# Altium PCB PCB2.PcbDoc (part 3 of 4)
Units mil, origin at the board's own origin, x right, y up, seen from the top; angles counter-clockwise.
Board outline 8413.39 x 5625.98 mil, 6 copper layers (Top Layer, GND1, Misc, Power, GND2, Bottom Layer), stack 60.93 mil thick; 263 components, 224 nets, 1651 pads, 1073 vias.
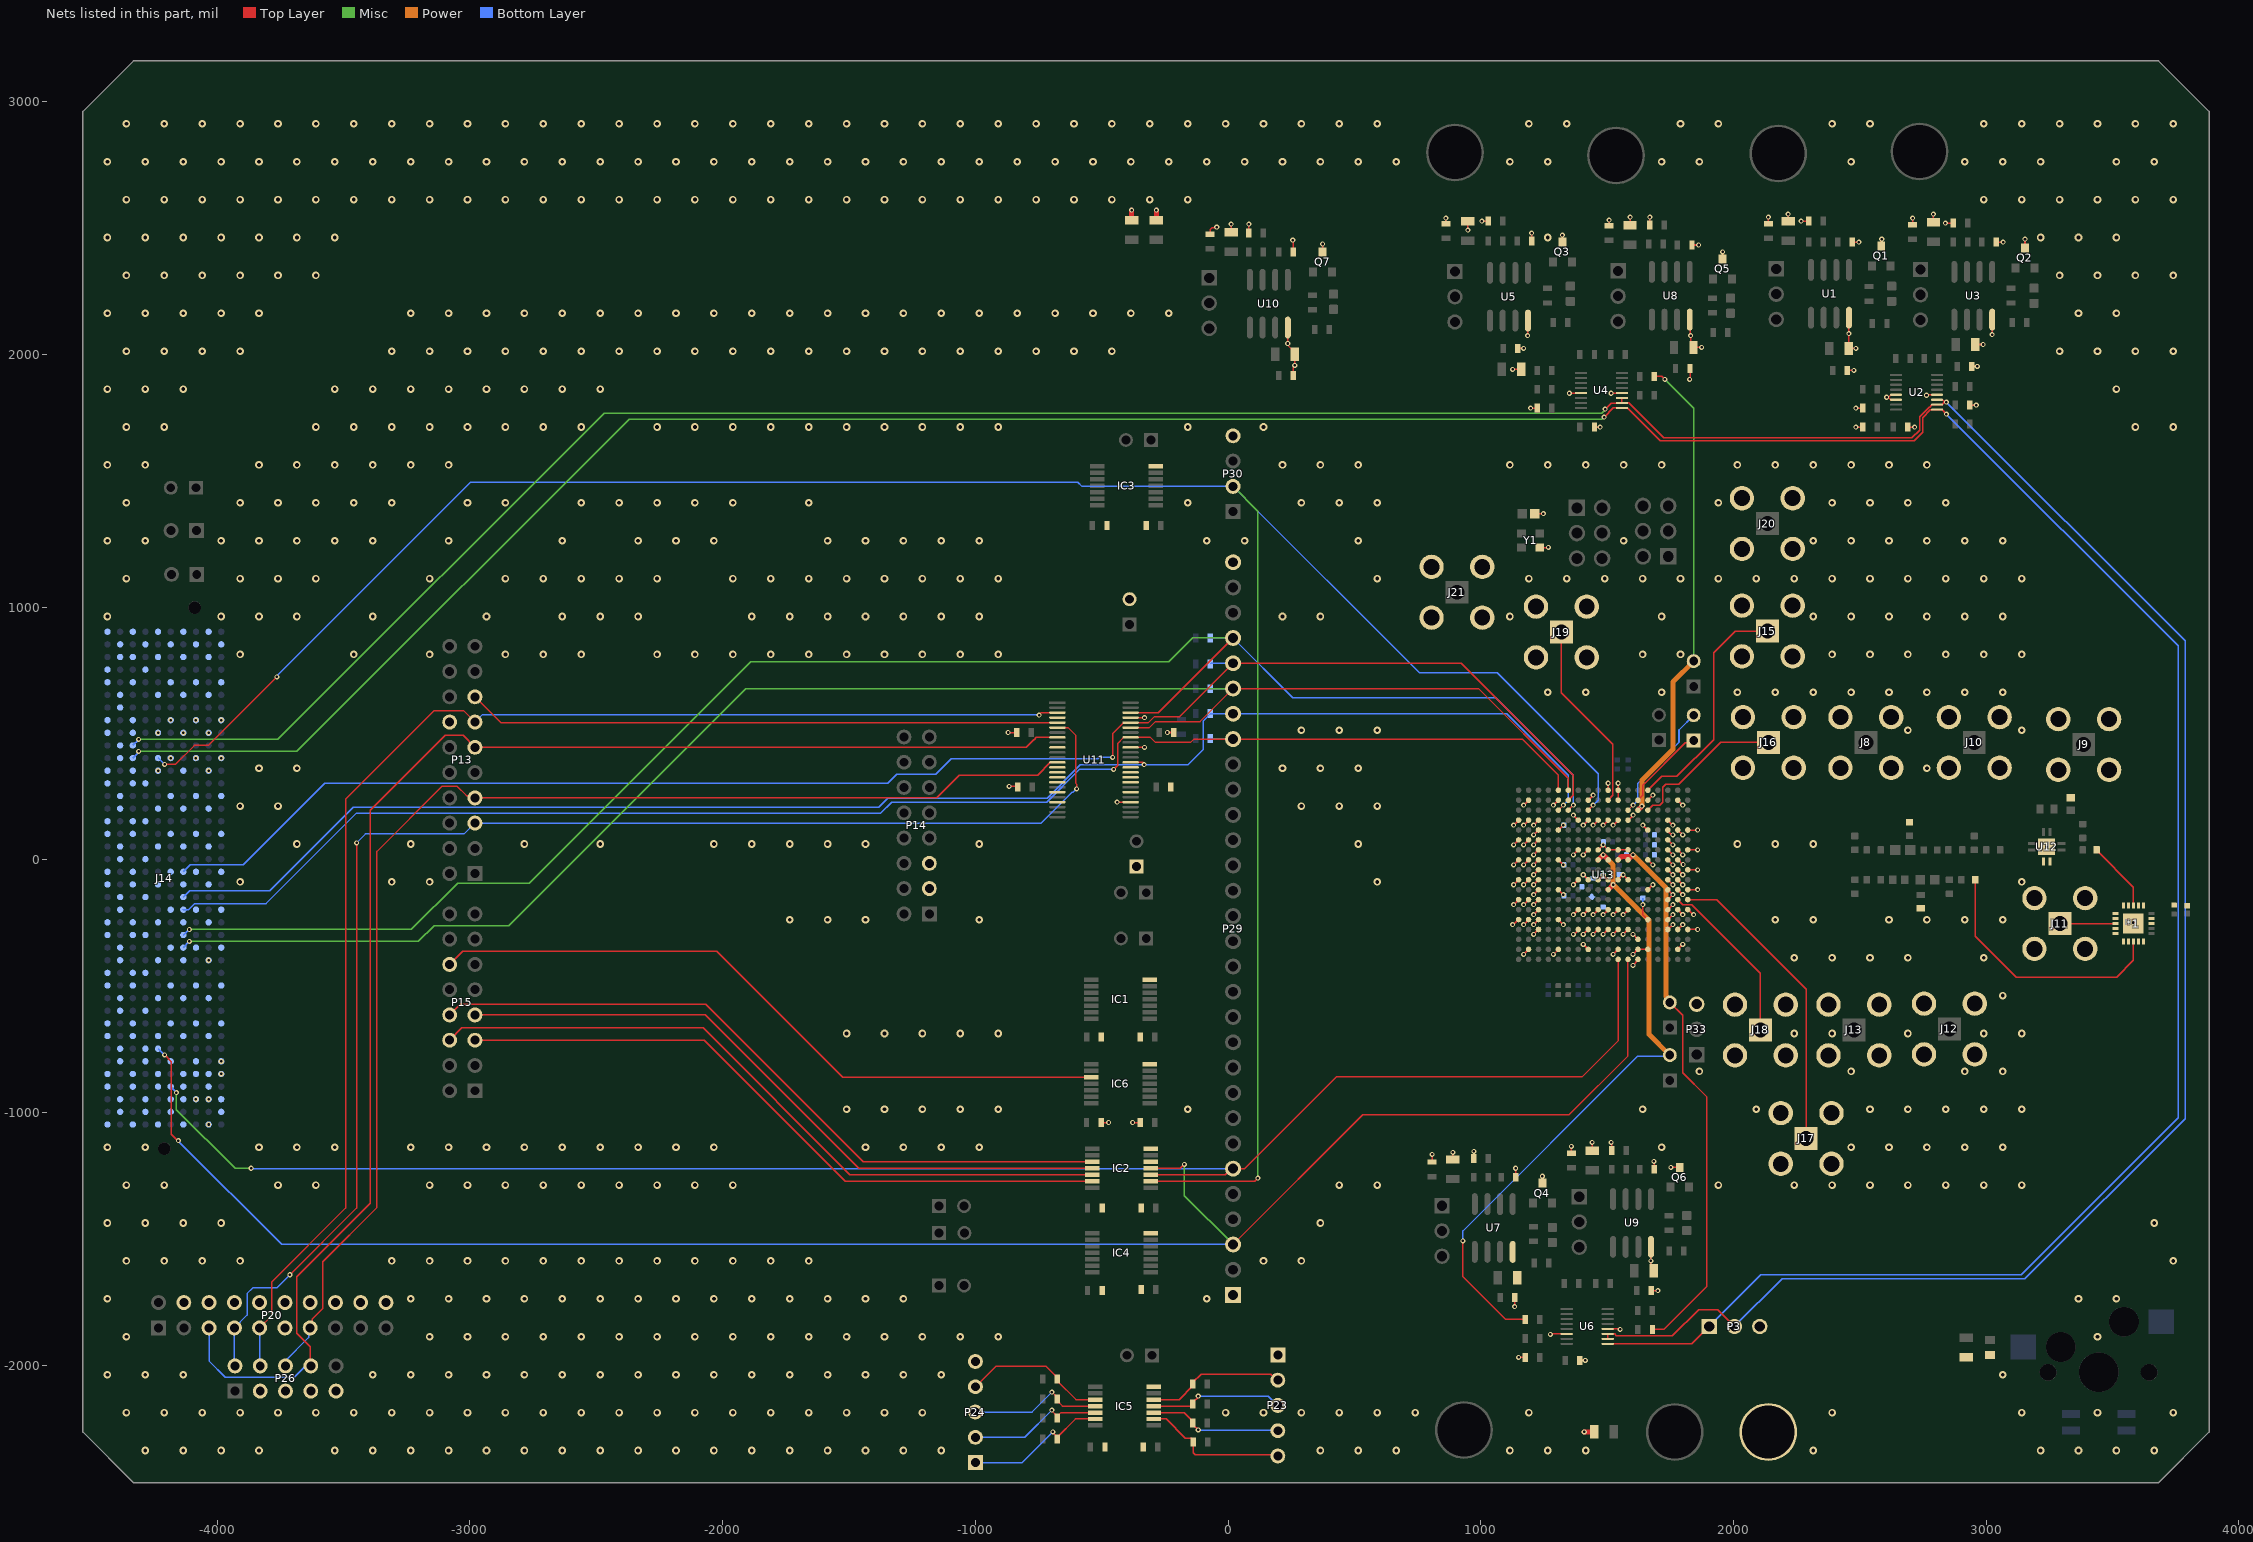
[diagram p7: the nets of this part, all layers, seen from the top]

## Via types
v1: diameter 30, hole 15, Top Layer to Bottom Layer, 676 vias
v2: diameter 20, hole 10, Top Layer to Bottom Layer, tented both sides, 395 vias
v3: diameter 30, hole 15, Top Layer to Bottom Layer, tented both sides, 2 vias

## Nets (pads, with @x,y where several pads share a name; then routed paths per layer and width w, separated by ;. In a path a pad name is that pad's centre, name@x,y a point inside that pad or via, vN(x,y) a via of type N, cw(c..) or ccw(c..) an arc to the next point about the centre after c; other vN are vias at no path point) (continued)
GND: *1.1 *1.2 *1.4 *1.5 *1.6 *1.7 *1.9 *1.10 *1.11 *1.12 *1.14 *1.15 *1.18 *1.19 *1.21 C1.2 C2.1 C3.1 C4.1 C5.1 C6.1 C7.1 C8.1 C9.1 C10.1 C11.2 C12.1 C13.2 C14.2 C15.2 C16.1 C17.1 C18.1 C19.1 C20.1 C21.2 C22.1 C23.2 C24.2 C25.2 C26.1 C27.1 C28.1 C29.1 C30.1 C31.2 C32.2 C33.2 C34.1 C35.1 C36.1 C37.1 C38.1 C39.2 C40.2 C41.2 C42.1 C43.1 C44.1 C45.1 C46.1 C47.2 C48.2 C49.2 C50.1 C51.1 C52.1 C53.1 C54.1 C55.1 C56.1 C57.1 C58.1 C59.1 C60.1 C61.2 C62.1 C63.2 C64.1 C65.2 C66.1 C67.2 C68.1 C69.2 C70.1 C71.2 C72.1 C73.1 C74.2 C75.1 C76.2 C77.2 C78.2 C81.1 C82.1 IC1.7 IC2.7 IC3.7 IC4.7 IC5.7 IC6.7 J5.1 J8.2 J8.3 J8.4 J8.5 J9.2 J9.3 J9.4 J9.5 J10.2 J10.3 J10.4 J10.5 J11.2 J11.3 J11.4 J11.5 J12.2 J12.3 J12.4 J12.5 J13.2 J13.3 J13.4 J13.5 J14.A1 J14.A4 J14.A5 J14.A8 J14.A9 J14.A12 J14.A13 J14.A16 J14.A17 J14.A20 J14.A21 J14.A24 J14.A25 J14.A28 J14.A29 J14.A32 J14.A33 J14.A36 J14.A37 J14.A40 J14.B2 J14.B3 J14.B6 J14.B7 J14.B10 J14.B11 J14.B14 J14.B15 J14.B18 J14.B19 J14.B22 J14.B23 J14.B26 J14.B27 J14.B30 J14.B31 J14.B34 J14.B35 J14.B38 J14.B39 J14.C1 J14.C4 J14.C5 J14.C8 J14.C9 J14.C12 J14.C13 J14.C16 J14.C17 J14.C20 J14.C21 J14.C24 J14.C25 J14.C28 J14.C29 J14.C32 J14.C33 J14.C36 J14.C38 J14.C40 J14.D2 J14.D3 J14.D6 J14.D7 J14.D10 J14.D13 J14.D16 J14.D19 J14.D22 J14.D25 J14.D28 J14.D37 J14.D39 J14.E1 J14.E4 J14.E5 J14.E8 J14.E11 J14.E14 J14.E17 J14.E20 J14.E23 J14.E26 J14.E29 J14.E32 J14.E35 J14.E38 J14.E40 J14.F2 J14.F3 J14.F6 J14.F9 J14.F12 J14.F15 J14.F18 J14.F21 J14.F24 J14.F27 J14.F30 J14.F33 J14.F36 J14.F39 J14.G1 J14.G3 J14.G4 J14.G5 J14.G8 J14.G11 J14.G14 J14.G17 J14.G20 J14.G23 J14.G26 J14.G29 J14.G32 J14.G35 J14.G38 J14.G40 J14.H3 J14.H5 J14.H6 J14.H9 J14.H12 J14.H15 J14.H18 J14.H21 J14.H24 J14.H27 J14.H30 J14.H33 J14.H36 J14.H39 J14.J1 J14.J3 J14.J4 J14.J5 J14.J8 J14.J11 J14.J14 J14.J17 J14.J20 J14.J23 J14.J26 J14.J29 J14.J32 J14.J35 J14.J38 J14.J40 J14.K2 J14.K3 J14.K5 J14.K6 J14.K9 J14.K12 J14.K15 J14.K18 J14.K21 J14.K24 J14.K27 J14.K30 J14.K33 J14.K36 J14.K39 J15.2 J15.3 J15.4 J15.5 J16.2 J16.3 J16.4 J16.5 J17.2 J17.3 J17.4 J17.5 J18.2 J18.3 J18.4 J18.5 J19.2 J19.3 J19.4 J19.5 J20.2 J20.3 J20.4 J20.5 J21.2 J21.3 J21.4 J21.5 L2.1 L3.2 P3.3 P13.14 P14.3 P14.5 P16.2 P18.1 P20.4 P20.6 P20.8 P20.10 P20.11 P20.12 P20.14 P20.16 P20.18 P20.20 P23.1 P24.5 P26.3 P26.5 P26.7 P26.9 P29.1 P29.30 P30.4 P33.3 Q1.3 Q2.3 Q3.3 Q4.3 Q5.3 Q6.3 Q7.3 R6.2 R9.2 R10.1 R20.1 R30.1 R34.1 R38.1 R42.1 R46.1 R75.1 U1.4 U2.5 U2.6 U2.12 U3.4 U4.5 U4.12 U5.4 U6.6 U6.12 U7.4 U8.4 U9.4 U10.4 U11.4 U11.10 U11.15 U11.21 U11.28 U11.34 U11.39 U11.45 U12.3 U12.4 U12.9 U13.10 U13.11 U13.20 U13.23 U13.26 U13.29 U13.32 U13.35 U13.55 U13.56 U13.57 U13.61 U13.62 U13.63 U13.64 U13.65 U13.66 U13.70 U13.75 U13.77 U13.86 U13.88 U13.89 U13.90 U13.91 U13.92 U13.93 U13.106 U13.111 U13.115 U13.116 U13.117 U13.118 U13.119 U13.120 U13.124 U13.125 U13.126 U13.127 U13.128 U13.129 U13.131 U13.140 U13.142 U13.143 U13.147 U13.160 U13.161 U13.162 U13.163 U13.164 U13.165 U13.169 U13.170 U13.171 U13.172 U13.173 U13.174 U13.178 U13.179 U13.183 U13.185 U13.194 U13.196 U13.197 U13.198 U13.199 U13.200 U13.201 U13.214 U13.219 U13.223 U13.224 U13.225 U13.226 U13.227 U13.228 U13.232 U13.233 U13.234 U13.235 U13.236 U13.237 U13.239 U13.248 U13.250 U13.255 U13.259 U13.260 U13.261 U13.262 U13.263 U13.264 U13.268 U13.269 U13.270 U13.283 U13.290 U13.293 U13.296 U13.299 U13.301 U13.302 U13.305 U13.319 Y1.2 | length 6203.8
  Top Layer w5: v2(-870.08,503.94) C63.2@-835.83,503.94 ; v2(-866.14,290.85) -839.9,290.85 -834.17,285.12 C62.1@-831.89,287.4 ; C75.1@-502.76,-1039.37 v2(-472.44,-1039.37) ; v2(-439.19,228.35) U11.28@-385.83,228.35 ; U11.39@-385.83,444.88 v2(-330.71,444.88) ; U11.45@-385.83,562.99 v2(-330.71,562.99) ; v2(-377.95,-1039.37) C74.2@-347.64,-1039.37 ; v2(1125.98,-255.91) 1127.95,-255.91 1147.64,-236.22 U13.235@1149.61,-236.22 ; v2(1129.92,-177.17) U13.199@1149.61,-157.48 ; v2(1129.92,-98.43) U13.163@1149.61,-78.74 ; v2(1129.92,-19.68) U13.127@1149.61,0 ; v2(1129.92,59.06) U13.91@1149.61,78.74 ; v2(1129.92,137.8) U13.55@1149.61,157.48 ; v2@1169.29,-374.02 U13.290@1188.98,-354.33 ; v2(1169.29,-255.91) U13.236@1188.98,-236.22 ; v2(1169.29,-177.17) U13.200@1188.98,-157.48 ; v2(1169.29,-98.43) U13.164@1188.98,-78.74 ; v2(1169.29,-19.68) U13.128@1188.98,0 ; v2(1169.29,59.06) U13.92@1188.98,78.74 ; v2(1169.29,137.8) U13.56@1188.98,157.48 ; v2(1169.29,216.54) U13.20@1188.98,236.22 ; v2(1208.66,-295.28) U13.255@1228.35,-275.59 ; v2(1208.66,-255.91) U13.237@1228.35,-236.22 ; v2(1208.66,-216.54) U13.219@1228.35,-196.85 ; v2(1208.66,-177.17) U13.201@1228.35,-157.48 ; v2(1208.66,-137.8) U13.183@1228.35,-118.11 ; v2(1208.66,-98.43) U13.165@1228.35,-78.74 ; v2(1208.66,-59.06) U13.147@1228.35,-39.37 ; v2(1208.66,-19.68) U13.129@1228.35,0 ; v2(1208.66,19.69) U13.111@1228.35,39.37 ; v2(1208.66,59.06) U13.93@1228.35,78.74 ; v2(1208.66,98.43) U13.75@1228.35,118.11 ; v2(1208.66,137.8) U13.57@1228.35,157.48 ; v2(1287.4,216.54) U13.23@1307.09,236.22 ; U13.239@1307.09,-236.22 v2(1326.77,-255.91) ; U13.185@1307.09,-118.11 v2(1326.77,-137.8) ; U13.131@1307.09,0 v2(1326.77,-19.68) ; U13.77@1307.09,118.11 v2(1326.77,137.8) ; v2(1366.14,-295.28) 1370.08,-295.28 1385.83,-279.53 U13.259@1385.83,-275.59 ; v2(1366.14,-216.54) U13.223@1385.83,-196.85 ; v2(1366.14,-98.43) U13.169@1385.83,-78.74 ; v2(1366.14,19.69) U13.115@1385.83,39.37 ; v2(1366.14,177.17) U13.61@1385.83,157.48 ; v2(1405.51,-334.65) U13.296@1425.2,-354.33 ; v2(1405.51,-295.28) U13.260@1425.2,-275.59 ; v2(1405.51,-216.54) U13.224@1425.2,-196.85 ; v2(1405.51,-59.06) U13.170@1425.2,-78.74 ; v2(1405.51,19.69) U13.116@1425.2,39.37 ; v2(1405.51,137.8) U13.62@1425.2,157.48 ; U13.26@1425.2,236.22 v2(1444.88,255.91) ; v2(1444.88,-295.28) U13.261@1464.57,-275.59 ; v2(1444.88,-216.54) U13.225@1464.57,-196.85 ; v2(1444.88,137.8) U13.63@1464.57,157.48 ; v2(1484.25,-295.28) U13.262@1503.94,-275.59 ; v2(1484.25,-216.54) U13.226@1503.94,-196.85 ; v2(1484.25,137.8) U13.64@1503.94,157.48 ; U13.10@1503.94,275.59 v2(1503.94,303.15) ; v2(1523.62,-374.02) U13.299@1543.31,-354.33 ; v2(1523.62,-295.28) U13.263@1543.31,-275.59 ; v2(1523.62,-216.54) U13.227@1543.31,-196.85 ; v2(1523.62,137.8) U13.65@1543.31,157.48 ; U13.29@1543.31,236.22 v2(1543.31,303.15) ; v2(1562.99,-295.28) U13.264@1582.68,-275.59 ; v2(1562.99,-216.54) U13.228@1582.68,-196.85 ; U13.66@1582.68,157.48 1582.83,157.48 1602.52,177.17 v2(1602.68,177.17) ; v2(1602.36,-417.32) 1622.05,-397.64 U13.319@1622.05,-393.7 ; v2(1602.36,-374.02) U13.301@1622.05,-354.33 U13.302@1661.42,-354.33 ; v2(1602.36,-295.28) U13.283@1622.05,-314.96 ; v2(1641.73,-177.17) 1641.73,-216.54 U13.248@1661.42,-236.22 ; v2(1641.73,137.8) U13.86@1661.42,118.11 ; U13.194@1661.42,-118.11 v2(1681.1,-98.43) ; U13.140@1661.42,0 v2(1681.1,-19.68) ; U13.32@1661.42,236.22 v2(1681.1,255.91) ; U13.268@1740.16,-275.59 v2(1759.84,-255.91) ; U13.250@1740.16,-236.22 v2(1759.84,-216.54) ; U13.232@1740.16,-196.85 v2(1759.84,-177.17) ; U13.214@1740.16,-157.48 v2(1759.84,-137.8) U13.196@1740.16,-118.11 ; U13.178@1740.16,-78.74 v2(1759.84,-98.43) ; U13.160@1740.16,-39.37 v2(1759.84,-59.06) ; U13.142@1740.16,0 v2(1759.84,-19.68) ; U13.124@1740.16,39.37 v2(1759.84,19.69) ; U13.106@1740.16,78.74 v2(1759.84,59.06) ; U13.88@1740.16,118.11 1740.16,114.17 1755.91,98.43 v2(1759.84,98.43) ; U13.70@1740.16,157.48 v2(1759.84,137.8) ; U13.305@1779.53,-354.33 v2(1799.21,-334.65) ; U13.269@1779.53,-275.59 v2(1799.21,-255.91) ; U13.233@1779.53,-196.85 v2(1799.21,-216.54) ; U13.197@1779.53,-118.11 v2(1799.21,-137.8) ; U13.179@1779.53,-78.74 v2(1799.21,-98.43) ; U13.161@1779.53,-39.37 v2(1799.21,-59.06) ; U13.143@1779.53,0 1780.81,0 1799.21,-18.4 v2(1800.5,-18.4) ; U13.125@1779.53,39.37 v2(1799.21,19.69) ; U13.89@1779.53,118.11 v2(1799.21,98.43) ; U13.35@1779.53,236.22 v2(1799.21,216.54) ; U13.270@1818.9,-275.59 v2(1858.27,-275.59) ; U13.234@1818.9,-196.85 1820.87,-196.85 1840.55,-216.54 v2(1842.52,-216.54) ; U13.198@1818.9,-118.11 v2(1858.27,-118.11) ; U13.162@1818.9,-39.37 v2(1858.27,-39.37) ; U13.126@1818.9,39.37 v2(1858.27,39.37) ; U13.90@1818.9,118.11 v2(1858.27,118.11)
  Top Layer w6: v2(-240.16,503.94) C61.2@-214.17,503.94 ; C58.1@-70.87,2474.8 -70.87,2494.63 -63.8,2501.69 -47.05,2501.69 v2(-44.8,2503.94) ; C57.1@11.81,2483.46 v2(11.81,2515.75) ; R46.1@81.5,2480.32 81.5,2514.57 v2(82.68,2515.75) ; U10.4@236.42,2106.3 236.42,2043.5 v2(236.22,2043.31) 238.9,2040.63 238.9,2033.94 262.99,2009.84 C55.1@262.99,2000 263.78,1999.21 v2(263.78,1956.69) 257.09,1950 C56.1@257.09,1917.32 ; v2(255.91,2452.76) 257.09,2451.57 C59.1@257.09,2405.51 ; Q7.3@374.02,2405.51 v2(374.02,2437.01) ; C37.1@807.09,-1195.67 v2(807.09,-1165.35) ; C29.1@862.2,2516.93 v2(862.2,2539.37) ; C36.1@889.76,-1185.83 v2(889.76,-1157.48) ; v2(948.82,2492.13) C28.1@948.82,2526.77 ; R34.1@971.26,-1181.1 971.26,-1154.72 v2(972.44,-1153.54) ; v2(1003.94,2527.56) R30.1@1030.31,2527.56 ; v2(1125.98,1940.94) C26.1@1160.63,1940.94 ; v2(1133.86,-1767.72) 1133.86,-1733.46 C35.1@1135.04,-1732.28 ; v2(1137.8,-1220.47) 1137.8,-1254.72 C38.1@1138.98,-1255.91 ; C27.1@1146.85,2023.62 1165.35,2023.62 v2(1169.29,2023.62) ; v2(1149.61,-1968.5) C21.2@1175.98,-1968.5 ; v2(1185.04,2074.8) 1186.61,2076.38 U5.4@1186.61,2133.86 ; v2(1196.85,1787.4) C11.2@1223.23,1787.4 ; v2(1200.79,2480.32) 1200.79,2450 C30.1@1201.97,2448.82 ; C82.1@1213.58,1370.08 v2(1248.03,1370.08) ; Y1.2@1233.27,1235.24 1266.73,1235.24 v2(1267.72,1236.22) ; Q4.3@1244.09,-1279.53 v2(1244.09,-1251.97) ; v2(1275.59,-1877.95) 1277.56,-1875.98 U6.6@1340.16,-1875.98 ; v2(1287.4,-374.02) U13.293@1307.09,-354.33 ; Q3.3@1322.83,2444.88 v2(1322.83,2472.44) ; v2(1350.39,1846.46) 1351.04,1847.11 1395.97,1847.11 U4.5@1396.42,1847.56 ; C53.1@1358.27,-1160.24 v2(1358.27,-1133.86) ; C22.1@1390.94,-1980.31 v2(1413.39,-1980.31) ; C52.1@1440.94,-1150.39 v2(1440.94,-1118.11) ; C12.1@1450,1712.6 1468.5,1712.6 v2(1472.44,1712.6) ; U13.171@1464.57,-78.74 1465.7,-78.74 1483.42,-61.02 v2(1484.55,-61.02) 1502.26,-78.74 U13.172@1503.94,-78.74 ; U13.117@1464.57,39.37 v2(1484.25,59.06) U13.118@1503.94,39.37 U13.119@1543.31,39.37 U13.120@1582.68,39.37 ; U6.12@1502.36,-1856.3 1549.21,-1856.3 v2(1551.18,-1858.27) ; C45.1@1507.87,2509.06 v2(1507.87,2531.5) ; v2(1515.75,-1118.11) 1518.5,-1120.87 R42.1@1518.5,-1149.61 ; v2(1515.75,1846.46) 1534.75,1846.46 1535.4,1847.11 1558.16,1847.11 U4.12@1558.62,1847.56 ; U13.173@1543.31,-78.74 v2(1562.99,-59.06) U13.174@1582.68,-78.74 ; C44.1@1590.55,2511.02 v2(1590.55,2543.31) ; R38.1@1668.11,2511.81 1668.11,2542.13 v2(1669.29,2543.31) ; U9.4@1673.43,-1531.5 v2(1673.43,-1586.61) 1673.43,-1615.16 C50.1@1684.25,-1625.98 ; C51.1@1674.41,-1704.72 v2(1700.79,-1704.72) ; v2(1685.04,-1192.91) 1686.22,-1194.09 C54.1@1686.22,-1224.41 ; v2(1751.97,-1216.54) Q6.3@1787.4,-1216.54 ; v2(1826.77,1901.57) 1827.95,1902.76 C43.1@1827.95,1944.88 ; U8.4@1826.97,2137.8 1828.84,2135.93 1828.84,2076.67 v2(1830.71,2074.8) 1830.71,2038.58 C42.1@1841.73,2027.56 v2(1874.02,2027.56) ; C46.1@1835.83,2433.07 v2(1862.2,2433.07) ; Q5.3@1956.69,2377.95 v2(1956.69,2405.51) ; C6.1@2137.8,2516.93 v2(2137.8,2543.31) ; C5.1@2216.54,2526.77 v2(2216.54,2555.12) ; v2(2267.72,2527.56) R10.1@2298.03,2527.56 ; C4.1@2450,1937.01 v2(2476.38,1937.01) ; U1.4@2456.89,2145.67 2456.89,2082.87 v2(2456.69,2082.68) 2456.69,2024.41 C3.1@2455.91,2023.62 v2(2484.25,2023.62) ; C10.1@2469.68,2444.88 v2(2496.06,2444.88) ; v2(2484.25,1712.6) C1.2@2510.63,1712.6 ; v2(2484.25,1787.4) R6.2@2510.63,1787.4 ; Q1.3@2584.65,2429.13 2584.65,2454.72 v2(2586.61,2456.69) ; v2(2606.3,1830.71) 2608.98,1828.03 2615.27,1828.03 2622.44,1820.87 U2.6@2643.31,1820.87 ; v2@2613.24,1830.71 2623.08,1840.55 U2.5@2643.31,1840.55 ; C2.1@2690.16,1712.6 v2(2716.54,1712.6) ; C19.1@2708.66,2512.99 v2(2708.66,2539.37) ; v2(2763.78,1838.58) 2765.75,1840.55 U2.12@2805.51,1840.55 ; C18.1@2791.34,2522.83 v2(2791.34,2555.12) ; v2(2838.58,2519.68) R20.1@2868.9,2519.69 ; R9.2@2934.25,1799.21 v2(2960.63,1799.21) ; C17.1@2942.13,1952.76 v2(2964.57,1952.76) ; C16.1@2955.91,2039.37 v2(2988.19,2039.37) ; v2(3023.62,2078.74) 3023.82,2078.94 U3.4@3023.82,2137.8 ; C20.1@3040.55,2444.88 v2(3066.93,2444.88) ; Q2.3@3153.54,2421.26 v2(3153.54,2456.69) ; U12.9@3238.98,51.77 3239.57,51.77 v2(3240.16,51.18) ; *1.21@3582.68,-251.97 v2(3582.68,-248.03)
  Top Layer w20: C8.1@-381.89,2530.71 v2(-381.89,2570.87) ; C9.1@-283.46,2530.71 v2(-283.46,2570.87) ; v2(1409.45,-2263.78) C7.1@1449.61,-2263.78
  Bottom Layer w5: v2(1641.73,-177.17) C49.2@1641.73,-151.57
  Bottom Layer w6: v2(-4234.25,502.76) J14.E32@-4225.59,502.76
  other v1: -4284.68,-2337.17 -4134.68,-2337.17 -3984.68,-2337.17 -3834.68,-2337.17 -3534.68,-2337.17 -3384.68,-2337.17 -3234.68,-2337.17 -3084.68,-2337.17 -2934.68,-2337.17 -2784.68,-2337.17 -2634.68,-2337.17 -2484.68,-2337.17 -2334.68,-2337.17 -2184.68,-2337.17 -2034.68,-2337.17 -1884.68,-2337.17 -1734.68,-2337.17 -1584.68,-2337.17 -1434.68,-2337.17 -1284.68,-2337.17 -1134.68,-2337.17 365.32,-2337.17 515.32,-2337.17 665.32,-2337.17 1115.32,-2337.17 1265.32,-2337.17 1415.32,-2337.17 2315.32,-2337.17 3215.32,-2337.17 3365.32,-2337.17 3515.32,-2337.17 3665.32,-2337.17 -4359.68,-2187.17 -4209.68,-2187.17 -4059.68,-2187.17 -3909.68,-2187.17 -3759.68,-2187.17 -3609.68,-2187.17 -3459.68,-2187.17 -3309.68,-2187.17 -3159.68,-2187.17 -3009.68,-2187.17 -2859.68,-2187.17 -2709.68,-2187.17 -2559.68,-2187.17 -2409.68,-2187.17 -2259.68,-2187.17 -2109.68,-2187.17 -1959.68,-2187.17 -1809.68,-2187.17 -1659.68,-2187.17 -1509.68,-2187.17 -1359.68,-2187.17 -1209.68,-2187.17 -9.68,-2187.17 140.32,-2187.17 290.32,-2187.17 440.32,-2187.17 590.32,-2187.17 740.32,-2187.17 1190.32,-2187.17 2390.32,-2187.17 3140.32,-2187.17 3440.32,-2187.17 3740.32,-2187.17 -4434.68,-2037.17 -4284.68,-2037.17 -4134.68,-2037.17 -3384.68,-2037.17 -3234.68,-2037.17 -3084.68,-2037.17 -2934.68,-2037.17 -2784.68,-2037.17 -2634.68,-2037.17 -2484.68,-2037.17 -2334.68,-2037.17 -2184.68,-2037.17 -2034.68,-2037.17 -1884.68,-2037.17 -1734.68,-2037.17 -1584.68,-2037.17 -1434.68,-2037.17 -1284.68,-2037.17 -1134.68,-2037.17 3065.32,-2037.17 -4359.68,-1887.17 -3159.68,-1887.17 -3009.68,-1887.17 -2859.68,-1887.17 -2709.68,-1887.17 -2559.68,-1887.17 -2409.68,-1887.17 -2259.68,-1887.17 -2109.68,-1887.17 -1959.68,-1887.17 -1809.68,-1887.17 -1659.68,-1887.17 -1509.68,-1887.17 -1359.68,-1887.17 -1209.68,-1887.17 -1059.68,-1887.17 -909.68,-1887.17 3440.32,-1887.17 -4434.68,-1737.17 -3234.68,-1737.17 -3084.68,-1737.17 -2934.68,-1737.17 -2784.68,-1737.17 -2634.68,-1737.17 -2484.68,-1737.17 -2334.68,-1737.17 -2184.68,-1737.17 -2034.68,-1737.17 -1884.68,-1737.17 -1734.68,-1737.17 -1584.68,-1737.17 -1434.68,-1737.17 -1284.68,-1737.17 -84.68,-1737.17 3365.32,-1737.17 3515.32,-1737.17 -4359.68,-1587.17 -4209.68,-1587.17 -4059.68,-1587.17 -3909.68,-1587.17 -3309.68,-1587.17 -3159.68,-1587.17 -3009.68,-1587.17 -2859.68,-1587.17 -2709.68,-1587.17 -2559.68,-1587.17 -2409.68,-1587.17 -2259.68,-1587.17 -2109.68,-1587.17 -1959.68,-1587.17 -1809.68,-1587.17 -1659.68,-1587.17 140.32,-1587.17 290.32,-1587.17 3740.32,-1587.17 -4434.68,-1437.17 -4284.68,-1437.17 -4134.68,-1437.17 -3984.68,-1437.17 365.32,-1437.17 3665.32,-1437.17 -4359.68,-1287.17 -4209.68,-1287.17 -3759.68,-1287.17 -3609.68,-1287.17 -3159.68,-1287.17 -3009.68,-1287.17 -2859.68,-1287.17 -2709.68,-1287.17 -2559.68,-1287.17 -2409.68,-1287.17 -2259.68,-1287.17 -2109.68,-1287.17 -1959.68,-1287.17 440.32,-1287.17 590.32,-1287.17 1940.32,-1287.17 2240.32,-1287.17 2390.32,-1287.17 2540.32,-1287.17 2690.32,-1287.17 2840.32,-1287.17 2990.32,-1287.17 3140.32,-1287.17 -4434.68,-1137.17 -4284.68,-1137.17 -3834.68,-1137.17 -3684.68,-1137.17 -3534.68,-1137.17 -3234.68,-1137.17 -3084.68,-1137.17 -2934.68,-1137.17 -2784.68,-1137.17 -2634.68,-1137.17 -2484.68,-1137.17 -2334.68,-1137.17 -2184.68,-1137.17 -2034.68,-1137.17 -1434.68,-1137.17 -1284.68,-1137.17 -1134.68,-1137.17 -984.68,-1137.17 1715.32,-1137.17 2465.32,-1137.17 2615.32,-1137.17 2765.32,-1137.17 2915.32,-1137.17 3065.32,-1137.17 -1509.68,-987.17 -1359.68,-987.17 -1209.68,-987.17 -1059.68,-987.17 -909.68,-987.17 -159.68,-987.17 1640.32,-987.17 2090.32,-987.17 2540.32,-987.17 2690.32,-987.17 2840.32,-987.17 2990.32,-987.17 3140.32,-987.17 1865.32,-837.17 2465.32,-837.17 2915.32,-837.17 3065.32,-837.17 -1509.68,-687.17 -1359.68,-687.17 -1209.68,-687.17 -1059.68,-687.17 -909.68,-687.17 2240.32,-687.17 2390.32,-687.17 2690.32,-687.17 2990.32,-687.17 3140.32,-687.17 3065.32,-537.17 2240.32,-387.17 2390.32,-387.17 2540.32,-387.17 2690.32,-387.17 2990.32,-387.17 -1734.68,-237.17 -1584.68,-237.17 -1434.68,-237.17 -984.68,-237.17 2165.32,-237.17 2315.32,-237.17 2615.32,-237.17 2765.32,-237.17 2915.32,-237.17 3065.32,-237.17 -3909.68,-87.17 -3309.68,-87.17 -3159.68,-87.17 590.32,-87.17 3140.32,-87.17 -3684.68,62.83 -3234.68,62.83 -2784.68,62.83 -2484.68,62.83 -2034.68,62.83 -1884.68,62.83 -1734.68,62.83 -1584.68,62.83 -1434.68,62.83 -984.68,62.83 515.32,62.83 2015.32,62.83 2165.32,62.83 2315.32,62.83 -3909.68,212.83 -3759.68,212.83 290.32,212.83 440.32,212.83 590.32,212.83 -3834.68,362.83 -3684.68,362.83 215.32,362.83 365.32,362.83 515.32,362.83 2765.32,362.83 290.32,512.83 440.32,512.83 590.32,512.83 2690.32,512.83 3140.32,512.83 1265.32,662.83 1415.32,662.83 1715.32,662.83 2015.32,662.83 2165.32,662.83 2315.32,662.83 2465.32,662.83 2615.32,662.83 2765.32,662.83 2915.32,662.83 3065.32,662.83 -3909.68,812.83 -3459.68,812.83 -3159.68,812.83 -2859.68,812.83 -2709.68,812.83 -2559.68,812.83 -2259.68,812.83 -2109.68,812.83 -1959.68,812.83 -1809.68,812.83 -1659.68,812.83 -1509.68,812.83 -1359.68,812.83 -1209.68,812.83 -1059.68,812.83 -909.68,812.83 1640.32,812.83 1790.32,812.83 2390.32,812.83 2540.32,812.83 2690.32,812.83 2840.32,812.83 2990.32,812.83 3140.32,812.83 -4434.68,962.83 -3984.68,962.83 -3834.68,962.83 -3684.68,962.83 -3384.68,962.83 -2934.68,962.83 -2634.68,962.83 -2484.68,962.83 -2334.68,962.83 -1884.68,962.83 -1734.68,962.83 -1584.68,962.83 -1434.68,962.83 -1284.68,962.83 -1134.68,962.83 -984.68,962.83 215.32,962.83 365.32,962.83 1115.32,962.83 1715.32,962.83 2315.32,962.83 2465.32,962.83 2615.32,962.83 2765.32,962.83 2915.32,962.83 3065.32,962.83 -4359.68,1112.83 -3909.68,1112.83 -3759.68,1112.83 -3609.68,1112.83 -3159.68,1112.83 -2859.68,1112.83 -2709.68,1112.83 -2559.68,1112.83 -2409.68,1112.83 -2259.68,1112.83 -1959.68,1112.83 -1809.68,1112.83 -1659.68,1112.83 -1509.68,1112.83 -1359.68,1112.83 -1209.68,1112.83 -1059.68,1112.83 -909.68,1112.83 590.32,1112.83 1190.32,1112.83 1340.32,1112.83 1490.32,1112.83 1640.32,1112.83 1790.32,1112.83 1940.32,1112.83 2090.32,1112.83 2240.32,1112.83 2390.32,1112.83 2540.32,1112.83 2690.32,1112.83 2840.32,1112.83 2990.32,1112.83 3140.32,1112.83 -4434.68,1262.83 -4284.68,1262.83 -3984.68,1262.83 -3834.68,1262.83 -3684.68,1262.83 -3534.68,1262.83 -3384.68,1262.83 -3084.68,1262.83 -2634.68,1262.83 -2334.68,1262.83 -2184.68,1262.83 -2034.68,1262.83 -1584.68,1262.83 -1434.68,1262.83 -1284.68,1262.83 -1134.68,1262.83 -984.68,1262.83 -84.68,1262.83 65.32,1262.83 515.32,1262.83 1565.32,1262.83 2315.32,1262.83 2465.32,1262.83 2615.32,1262.83 2765.32,1262.83 2915.32,1262.83 3065.32,1262.83 -4359.68,1412.83 -3909.68,1412.83 -3759.68,1412.83 -3609.68,1412.83 -3459.68,1412.83 -3309.68,1412.83 -3009.68,1412.83 -2859.68,1412.83 -2559.68,1412.83 -2409.68,1412.83 -2259.68,1412.83 -2109.68,1412.83 -1959.68,1412.83 -1659.68,1412.83 -159.68,1412.83 290.32,1412.83 440.32,1412.83 590.32,1412.83 1940.32,1412.83 2390.32,1412.83 2540.32,1412.83 2690.32,1412.83 2840.32,1412.83 -4434.68,1562.83 -4284.68,1562.83 -3834.68,1562.83 -3684.68,1562.83 -3534.68,1562.83 -3384.68,1562.83 -3234.68,1562.83 -3084.68,1562.83 215.32,1562.83 365.32,1562.83 515.32,1562.83 1115.32,1562.83 1265.32,1562.83 1415.32,1562.83 1565.32,1562.83 1715.32,1562.83 2015.32,1562.83 2165.32,1562.83 2315.32,1562.83 2465.32,1562.83 2615.32,1562.83 2765.32,1562.83 -4359.68,1712.83 -4209.68,1712.83 -3609.68,1712.83 -3459.68,1712.83 -3309.68,1712.83 -3159.68,1712.83 -3009.68,1712.83 -2859.68,1712.83 -2709.68,1712.83 -2559.68,1712.83 -2259.68,1712.83 -2109.68,1712.83 -1959.68,1712.83 -1809.68,1712.83 -1659.68,1712.83 -1509.68,1712.83 -1359.68,1712.83 -1209.68,1712.83 -1059.68,1712.83 -909.68,1712.83 -159.68,1712.83 140.32,1712.83 3590.32,1712.83 3740.32,1712.83 -4434.68,1862.83 -4284.68,1862.83 -4134.68,1862.83 -3534.68,1862.83 -3384.68,1862.83 -3234.68,1862.83 -3084.68,1862.83 -2934.68,1862.83 -2784.68,1862.83 -2634.68,1862.83 -2484.68,1862.83 3515.32,1862.83 -4359.68,2012.83 -4209.68,2012.83 -4059.68,2012.83 -3909.68,2012.83 -3309.68,2012.83 -3159.68,2012.83 -3009.68,2012.83 -2859.68,2012.83 -2709.68,2012.83 -2559.68,2012.83 -2409.68,2012.83 -2259.68,2012.83 -2109.68,2012.83 -1959.68,2012.83 -1809.68,2012.83 -1659.68,2012.83 -1509.68,2012.83 -1359.68,2012.83 -1209.68,2012.83 -1059.68,2012.83 -909.68,2012.83 -759.68,2012.83 -609.68,2012.83 -459.68,2012.83 3290.32,2012.83 3440.32,2012.83 3590.32,2012.83 3740.32,2012.83 -4434.68,2162.83 -4284.68,2162.83 -4134.68,2162.83 -3984.68,2162.83 -3834.68,2162.83 -3234.68,2162.83 -3084.68,2162.83 -2934.68,2162.83 -2784.68,2162.83 -2634.68,2162.83 -2484.68,2162.83 -2334.68,2162.83 -2184.68,2162.83 -2034.68,2162.83 -1884.68,2162.83 -1734.68,2162.83 -1584.68,2162.83 -1434.68,2162.83 -1284.68,2162.83 -1134.68,2162.83 -984.68,2162.83 -834.68,2162.83 -684.68,2162.83 -534.68,2162.83 -384.68,2162.83 -234.68,2162.83 3365.32,2162.83 3515.32,2162.83 -4359.68,2312.83 -4209.68,2312.83 -4059.68,2312.83 -3909.68,2312.83 -3759.68,2312.83 -3609.68,2312.83 3290.32,2312.83 3440.32,2312.83 3590.32,2312.83 3740.32,2312.83 -4434.68,2462.83 -4284.68,2462.83 -4134.68,2462.83 -3984.68,2462.83 -3834.68,2462.83 -3684.68,2462.83 -3534.68,2462.83 1265.32,2462.83 3215.32,2462.83 3365.32,2462.83 3515.32,2462.83 -4359.68,2612.83 -4209.68,2612.83 -4059.68,2612.83 -3909.68,2612.83 -3759.68,2612.83 -3609.68,2612.83 -3459.68,2612.83 -3309.68,2612.83 -3159.68,2612.83 -3009.68,2612.83 -2859.68,2612.83 -2709.68,2612.83 -2559.68,2612.83 -2409.68,2612.83 -2259.68,2612.83 -2109.68,2612.83 -1959.68,2612.83 -1809.68,2612.83 -1659.68,2612.83 -1509.68,2612.83 -1359.68,2612.83 -1209.68,2612.83 -1059.68,2612.83 -909.68,2612.83 -759.68,2612.83 -609.68,2612.83 -459.68,2612.83 -309.68,2612.83 -159.68,2612.83 2990.32,2612.83 3140.32,2612.83 3290.32,2612.83 3440.32,2612.83 3590.32,2612.83 3740.32,2612.83 -4434.68,2762.83 -4284.68,2762.83 -4134.68,2762.83 -3984.68,2762.83 -3834.68,2762.83 -3684.68,2762.83 -3534.68,2762.83 -3384.68,2762.83 -3234.68,2762.83 -3084.68,2762.83 -2934.68,2762.83 -2784.68,2762.83 -2634.68,2762.83 -2484.68,2762.83 -2334.68,2762.83 -2184.68,2762.83 -2034.68,2762.83 -1884.68,2762.83 -1734.68,2762.83 -1584.68,2762.83 -1434.68,2762.83 -1284.68,2762.83 -1134.68,2762.83 -984.68,2762.83 -834.68,2762.83 -684.68,2762.83 -534.68,2762.83 -384.68,2762.83 -234.68,2762.83 -84.68,2762.83 65.32,2762.83 215.32,2762.83 365.32,2762.83 515.32,2762.83 665.32,2762.83 1115.32,2762.83 1265.32,2762.83 1715.32,2762.83 1865.32,2762.83 2465.32,2762.83 2915.32,2762.83 3065.32,2762.83 3215.32,2762.83 3515.32,2762.83 3665.32,2762.83 -4359.68,2912.83 -4209.68,2912.83 -4059.68,2912.83 -3909.68,2912.83 -3759.68,2912.83 -3609.68,2912.83 -3459.68,2912.83 -3309.68,2912.83 -3159.68,2912.83 -3009.68,2912.83 -2859.68,2912.83 -2709.68,2912.83 -2559.68,2912.83 -2409.68,2912.83 -2259.68,2912.83 -2109.68,2912.83 -1959.68,2912.83 -1809.68,2912.83 -1659.68,2912.83 -1509.68,2912.83 -1359.68,2912.83 -1209.68,2912.83 -1059.68,2912.83 -909.68,2912.83 -759.68,2912.83 -609.68,2912.83 -459.68,2912.83 -309.68,2912.83 -159.68,2912.83 -9.68,2912.83 140.32,2912.83 290.32,2912.83 440.32,2912.83 590.32,2912.83 1190.32,2912.83 1340.32,2912.83 1790.32,2912.83 1940.32,2912.83 2390.32,2912.83 2540.32,2912.83 2990.32,2912.83 3140.32,2912.83 3290.32,2912.83 3440.32,2912.83 3590.32,2912.83 3740.32,2912.83
  other v2: -4034.25,-1047.24 -4084.25,-947.24 -4034.25,-947.24 -3984.25,-847.24 -3984.25,-797.24 -4034.25,-397.24 1169.29,-374.02 -4234.25,352.76 -4034.25,352.76 -4184.25,402.76 -4084.25,402.76 -3984.25,402.76 -4134.25,502.76 -4034.25,502.76 -4184.25,552.76 -4084.25,552.76 -3984.25,552.76
GPIO_0_3V3: IC2.13 P15.5 | length 2674.5
  Top Layer w5: P15.5@-2980.32,-713.72 -2073.68,-713.72 -1515.75,-1271.65 IC2.13@-536.93,-1271.65
GPIO_0_DUT: IC2.2 J14.E30 P30.2 U13.44 | length 10020.5
  Top Layer w5: IC2.2@-305.59,-1271.65 105.17,-1271.65 116.98,-1259.84 v2(118.11,-1259.84)
  Top Layer w6: v2(-4208.66,377.95) -4165.35,377.95 -4090.55,452.76 -4035.43,452.76 v2(-3763.78,724.41) ; U13.44@1425.2,196.85 v2(1444.88,216.54)
  Misc w5: P30.2@19.68,1477.95 118.11,1379.53 v2(118.11,-1259.84)
  Bottom Layer w6: J14.E30@-4234.25,402.76 -4233.46,402.76 v2(-4208.66,377.95) ; v2@-3767.72,724.41 -2997.75,1494.38 -594.64,1494.38 -578.21,1477.95 P30.2@19.68,1477.95 757.48,740.16 1064.83,740.16 1464.57,340.42 1464.57,236.22 v2(1444.88,216.54)
GPIO_1_3V3: IC2.12 P15.6 | length 2804
  Top Layer w5: P15.6@-3080.32,-713.72 -3031.94,-665.35 -2077.77,-665.35 -1497.06,-1246.06 IC2.12@-536.93,-1246.06
GPIO_1_DUT: IC2.3 J14.F4 P29.6 U13.317 | length 6769.6
  Top Layer w6: IC2.3@-305.59,-1246.06 -11.45,-1246.06 12.57,-1222.05 P29.6@19.68,-1222.05 65.35,-1222.05 428.35,-859.06 1400.79,-859.06 1543.31,-716.54 U13.317@1543.31,-393.7
  Misc w5: v2(-4161.42,-921.26) -4161.42,-988.19 -3929.13,-1220.47 v2(-3866.14,-1220.47)
  Bottom Layer w5: J14.F4@-4184.25,-897.24 -4161.42,-920.08 v2(-4161.42,-921.26) ; v2(-3866.14,-1220.47) -3864.39,-1222.22 19.51,-1222.22 P29.6@19.68,-1222.05
GPIO_2_3V3: IC2.11 P15.7 | length 2694.7
  Top Layer w5: P15.7@-2980.32,-613.72 -2067.95,-613.72 -1461.2,-1220.47 IC2.11@-536.93,-1220.47
GPIO_2_DUT: IC2.4 J14.E7 P29.3 U13.318 | length 7535.1
  Top Layer w5: v2(-4208.66,-771.65) -4181.1,-799.21 -4181.1,-1086.61 -4156.92,-1110.8 v2(-4154.11,-1110.8) ; IC2.4@-305.59,-1220.47 -188.98,-1220.47 v2(-173.23,-1204.72)
  Top Layer w6: P29.3@19.68,-1522.05 532.68,-1009.06 1349.21,-1009.06 1582.36,-775.91 1582.36,-394.02 U13.318@1582.68,-393.7
  Misc w5: v2(-173.23,-1204.72) -173.23,-1329.13 P29.3@19.68,-1522.05
  Bottom Layer w5: J14.E7@-4234.25,-747.24 -4209.84,-771.65 v2(-4208.66,-771.65) ; v2(-4154.11,-1110.8) -4154.11,-1113.61 -3745.67,-1522.05 P29.3@19.68,-1522.05
GPIO_3_3V3: IC2.10 P15.8 | length 2819.6
  Top Layer w5: P15.8@-3080.32,-613.72 -3037.46,-570.87 -2066.93,-570.87 -1442.91,-1194.88 IC2.10@-536.93,-1194.88
GPIO_3_DUT: IC2.5
I2C2_SCL: J14.C30 P3.1 U2.9 U4.9 U6.9 | length 13689.3
  Top Layer w5: v2(1488.19,1751.97) 1524.72,1788.5 U4.9@1558.62,1788.5 ; U6.9@1502.36,-1915.35 1835.04,-1915.35 P3.1@1903.94,-1846.46 ; U4.9@1558.62,1787.86 1582.22,1787.86 1710.79,1659.29 2714.41,1659.29 2748.03,1692.91 2748.03,1749.8 2779.24,1781.01 2805.02,1781.01 U2.9@2805.51,1781.5 2825.27,1781.5 2842.52,1764.25 v2(2842.52,1763.78)
  Misc w5: v2(-4311.02,429.13) -3685.04,429.13 -2370.08,1744.09 1477.76,1744.09 1485.63,1751.97 v2(1488.19,1751.97)
  Bottom Layer w5: J14.C30@-4334.25,402.76 -4311.02,425.98 v2(-4311.02,429.13) ; P3.1@1903.94,-1846.46 2108.66,-1641.73 3137.8,-1641.73 3759.84,-1019.69 3759.84,846.46 v2(2842.52,1763.78)
I2C2_SDA: J14.C31 P3.2 U2.10 U2.11 U4.10 U4.11 U6.10 U6.11 | length 13893.2
  Top Layer w5: v2(1492.13,1783.46) 1515.75,1807.09 1557.52,1807.09 U4.10@1558.62,1808.19 ; U6.10@1502.36,-1895.67 U6.11@1502.36,-1875.98 1529.53,-1875.98 1537.03,-1883.48 1758.25,-1883.48 1862.2,-1779.53 1937.01,-1779.53 P3.2@2003.94,-1846.46 ; U4.11@1558.62,1827.87 U4.10@1558.62,1808.19 ; U2.11@2805.51,1820.87 2826.65,1820.87 2833.62,1813.89 2839.65,1813.89 v2(2842.52,1811.02) 2839.65,1808.15 2832.71,1808.15 2825.74,1801.18 U2.10@2805.51,1801.18 2804.41,1800.08 2784.17,1800.08 2776.1,1792.01 2774.68,1792.01 2736.22,1753.55 2736.22,1700.79 2705.72,1670.29 1723.41,1670.29 1602.36,1791.34 1602.36,1791.8 1585.97,1808.19 U4.10@1558.62,1808.19
  Misc w5: v2(-4311.02,476.38) -3759.84,476.38 -2468.5,1767.72 1479.59,1767.72 1492.13,1780.25 v2(1492.13,1783.46)
  Bottom Layer w5: J14.C31@-4334.25,452.76 -4311.02,475.98 v2(-4311.02,476.38) ; P3.2@2003.94,-1846.46 2192.91,-1657.48 3153.54,-1657.48 3787.4,-1023.62 3787.4,866.14 v2(2842.52,1811.02)
I2C_0_SCL_3V3: IC5.10 P24.4 R55.1 | length 571.7
  Top Layer w6: P24.4@-1000,-2085.04 -918.48,-2003.51 -720.47,-2003.51 -720.47,-2003.74 -675.98,-2048.23 R55.1@-675.98,-2055.12 -675.98,-2062.01 -602.17,-2135.83 IC5.10@-525.12,-2135.83
I2C_0_SCL_DUT: IC5.5 P23.2 R48.1 | length 550.1
  Top Layer w5: IC5.5@-293.78,-2135.83 -193.11,-2135.83 -138.98,-2081.69 R48.1@-138.98,-2074.8 -138.98,-2067.91 -106.5,-2035.43 168.11,-2035.43 191.73,-2059.06 P23.2@196.85,-2059.06
I2C_0_SDA_3V3: IC5.11 P24.3 R54.1 | length 538.4
  Top Layer w6: v2(-696.85,-2106.3) -696.65,-2106.3 -675.98,-2126.97 R54.1@-675.98,-2133.86 -675.98,-2140.75 -655.31,-2161.42 IC5.11@-525.12,-2161.42
  Bottom Layer w6: P24.3@-1000,-2185.04 -775.59,-2185.04 v2(-696.85,-2106.3)
I2C_0_SDA_DUT: IC5.4 P23.3 R49.1 | length 528.5
  Top Layer w5: IC5.4@-293.78,-2161.42 -146.85,-2161.42 R49.1@-138.98,-2153.54 -138.98,-2146.65 -118.11,-2125.79 v2(-118.11,-2122.05)
  Bottom Layer w5: v2(-118.11,-2122.05) 159.84,-2122.05 P23.3@196.85,-2159.06
I2C_1_SCL_3V3: IC5.12 P24.2 R53.1 | length 545
  Top Layer w6: v2(-696.85,-2177.17) -696.85,-2180.91 R53.1@-675.98,-2201.77 ; R53.1@-675.98,-2208.66 R53.1@-675.98,-2201.77 ; IC5.12@-525.12,-2187.01 -661.22,-2187.01 R53.1@-675.98,-2201.77
  Bottom Layer w6: P24.2@-1000,-2285.04 -804.72,-2285.04 v2(-696.85,-2177.17)
I2C_1_SCL_DUT: IC5.3 P23.4 R50.1 | length 528.5
  Top Layer w5: IC5.3@-293.78,-2187.01 -173.43,-2187.01 -138.98,-2221.46 R50.1@-138.98,-2228.35 -138.98,-2235.24 -118.31,-2255.91 v2(-118.11,-2255.91)
  Bottom Layer w5: v2(-118.11,-2255.91) -116.54,-2257.48 195.28,-2257.48 P23.4@196.85,-2259.06
I2C_1_SDA_3V3: IC5.13 P24.1 R52.1 | length 573
  Top Layer w6: v2(-692.91,-2263.46) -690.23,-2266.14 -690.23,-2270.2 R52.1@-675.98,-2284.45 ; R52.1@-675.98,-2291.34 R52.1@-675.98,-2284.45 ; IC5.13@-525.12,-2212.6 -604.13,-2212.6 R52.1@-675.98,-2284.45
  Bottom Layer w6: P24.1@-1000,-2385.04 -814.49,-2385.04 v2(-692.91,-2263.46)
I2C_1_SDA_DUT: IC5.2 P23.5 R51.1 | length 580.7
  Top Layer w5: IC5.2@-293.78,-2212.6 -244.35,-2212.6 -169.02,-2287.93 -146.12,-2287.93 -137.8,-2296.26 R51.1@-137.8,-2303.15 -137.8,-2346.46 -129.92,-2354.33 192.13,-2354.33 P23.5@196.85,-2359.06
I_REF: P35.2 U13.48 | length 483.6
  Top Layer w6: U13.48@1582.68,196.85 1582.99,196.85 1602.68,216.54 v2(1602.99,216.54)
  Bottom Layer w6: v2(1602.99,216.54) 1602.99,217.17 1622.05,236.22 1622.05,303.15 1784.36,465.46 1784.36,514.28 P35.2@1842.52,572.44
I_REF_EXT: P35.1 U13.31 | length 341.4
  Top Layer w6: U13.31@1622.05,236.22 1641.73,255.91 1641.73,295.28 1809.48,463.02 1833.1,463.02 P35.1@1842.52,472.44
JTAG_STATE_0_3V3: U11.14
JTAG_STATE_0_DUT: U11.35
JTAG_STATE_1_3V3: U11.16
JTAG_STATE_1_DUT: U11.33
JTAG_STATE_2_3V3: U11.17
JTAG_STATE_2_DUT: U11.32
JTAG_STATE_3_3V3: U11.19
JTAG_STATE_3_DUT: U11.30
JTAG_TCK: J14.G16 P29.27 R70.2 U11.46 U13.42 | length 6975.4
  Top Layer w5: U11.46@-385.83,582.68 -275.59,582.68 P29.27@19.68,877.95
  Top Layer w6: U13.42@1346.46,196.85 v2(1366.14,216.54)
  Misc w5: v2(-4110.24,-275.59) -3232.28,-275.59 -3048.44,-91.75 -2764.98,-91.75 -1889.76,783.46 -235.09,783.46 -140.61,877.95 P29.27@19.68,877.95
  Bottom Layer w5: J14.G16@-4134.25,-297.24 -4131.89,-297.24 v2(-4110.24,-275.59) ; R70.2@-69.69,877.95 P29.27@19.68,877.95
  Bottom Layer w6: P29.27@19.68,877.95 255.91,641.73 1059.06,641.73 1366.14,334.65 v2(1366.14,216.54)
JTAG_TCK_3V3: P13.13 P20.9 P26.4 U11.3 | length 5364.1
  Top Layer w6: P20.9@-3832.28,-1851.97 -3783.46,-1803.15 -3783.46,-1669.29 -3492.13,-1377.95 -3492.13,240.16 -3141.73,590.55 -3025.59,590.55 P13.13@-2980.32,545.28 ; v2(-748.03,573.05) -748.03,574.8 -740.16,582.68 U11.3@-675.23,582.68
  Bottom Layer w6: P26.4@-3832.28,-1984.25 P20.9@-3832.28,-1851.97 ; P13.13@-2980.32,545.28 -2979.53,545.28 -2950,574.8 -749.78,574.8 v2(-748.03,573.05)
JTAG_TDI: J14.G18 P29.23 R71.2 U11.41 U13.5 | length 5996.9
  Top Layer w6: v2(-452.76,358.27) -437.01,374.02 -437.01,460.69 -413.44,484.25 U11.41@-385.83,484.25 -307.09,484.25 -287.4,464.57 -148.4,464.57 -135.01,477.95 P29.23@19.68,477.95 1163.78,477.95 1307.09,334.65 1307.09,330.71 U13.5@1307.09,275.59
  Bottom Layer w6: J14.G18@-4134.25,-197.24 -4133.52,-196.51 -4112.65,-196.51 -4089.37,-173.23 -3807.09,-173.23 -3448.82,185.04 -1374.02,185.04 -1330.71,228.35 -717.43,228.35 -587.51,358.27 v2(-452.76,358.27) ; R71.2@-69.69,480.32 -67.32,477.95 P29.23@19.68,477.95
JTAG_TDI_3V3: P13.11 P20.5 P26.8 U11.8 | length 5784
  Top Layer w5: P26.8@-3632.28,-1984.25 -3632.28,-1926.77 -3685.04,-1874.02 -3685.04,-1649.61 -3393.7,-1358.27 -3393.7,196.85 -3098.43,492.13 -3027.16,492.13 P13.11@-2980.32,445.28 -799.27,445.28 -768.98,475.57 -767.57,475.57 -758.88,484.25 U11.8@-675.23,484.25
  Bottom Layer w6: P20.5@-4032.28,-1851.97 -4032.28,-1983.46 -3968.5,-2047.24 -3695.28,-2047.24 P26.8@-3632.28,-1984.25
JTAG_TDO: J14.G19 P29.24 R72.2 U11.36 U13.41 | length 6161.7
  Top Layer w5: U11.36@-385.83,385.83 -338.58,385.83 -332.07,379.31 v2(-332.07,376.59)
  Top Layer w6: U13.41@1307.09,196.85 v2(1326.77,216.54)
  Bottom Layer w5: J14.G19@-4134.25,-147.24 -4109.06,-122.05 -3791.34,-122.05 -3461.04,208.25 -1382.3,208.25 -1346.46,244.09 -716.54,244.09 -584.04,376.59 v2(-332.07,376.59)
  Bottom Layer w6: v2(-332.07,376.59) -158.84,376.59 -98.43,437.01 -98.43,550 R72.2@-69.69,578.74 ; R72.2@-69.69,577.95 P29.24@19.68,577.95 1103.15,577.95 1346.46,334.65 1346.46,236.22 v2(1326.77,216.54)
JTAG_TDO_3V3: P13.7 P20.13 P26.6 U11.13 | length 5045.6
  Top Layer w5: P13.7@-2980.32,245.28 -1152.36,245.28 -1062.99,334.65 -754.03,334.65 -702.84,385.83 U11.13@-675.23,385.83
  Top Layer w6: P20.13@-3632.28,-1851.97 -3624.43,-1844.11 -3624.43,-1817.34 -3582.68,-1775.59 -3582.68,-1590.55 -3368.15,-1376.03 -3368.15,33.42 -3110.24,291.34 -3051.18,291.34 -3013.96,254.12 -2989.16,254.12 P13.7@-2980.32,245.28
  Bottom Layer w6: P26.6@-3732.28,-1984.25 -3638.53,-1890.5 -3638.53,-1858.21 P20.13@-3632.28,-1851.97
JTAG_TMS: J14.G15 P29.25 R73.2 U11.43 U13.6 | length 6660.2
  Top Layer w6: U11.43@-385.83,523.62 -311.02,523.62 -287.4,547.24 -111.02,547.24 P29.25@19.68,677.95 991.34,677.95 1346.46,322.83 U13.6@1346.46,275.59
  Misc w5: v2(-4110.24,-322.83) -3204.72,-322.83 -3141.73,-259.84 -2846.46,-259.84 -1908.66,677.95 P29.25@19.68,677.95
  Bottom Layer w5: J14.G15@-4134.25,-347.24 -4134.25,-346.85 v2(-4110.24,-322.83) ; R73.2@-70.87,677.17 -70.08,677.95 P29.25@19.68,677.95
JTAG_TMS_3V3: P13.5 P20.7 P26.2 U11.6 | length 5543.3
  Top Layer w6: v2(-3712.6,-1641.73) -3448.82,-1377.95 v2(-3448.82,66.93) ; U11.6@-675.23,523.62 -633.86,523.62 -602.36,492.13 -602.36,302.58 -599.48,299.69 v2(-599.48,280.58)
  Bottom Layer w6: P26.2@-3932.28,-1984.25 P20.7@-3932.28,-1851.97 -3881.89,-1801.57 -3881.89,-1716.54 -3858.27,-1692.91 -3763.78,-1692.91 v2(-3712.6,-1641.73) ; v2(-3448.82,66.93) -3413.39,102.36 -3023.23,102.36 P13.5@-2980.32,145.28 -740.55,145.28 -617.92,267.91 -613.68,267.91 -601,280.58 v2(-599.48,280.58)
JTAG_TRST: J14.G21 P29.26 R74.2 U11.44 U13.24 | length 6278.1
  Top Layer w6: v2(-456.69,405.51) -456.69,500 -414.7,541.99 -387.14,541.99 U11.44@-385.83,543.31 -314.96,543.31 -291.34,566.93 -191.34,566.93 P29.26@19.68,777.95 922.83,777.95 1366.14,334.65 1366.14,255.91 U13.24@1346.46,236.22
  Bottom Layer w5: J14.G21@-4134.25,-47.24 -4106.69,-19.68 -3897.64,-19.68 -3574.8,303.15 -1346.46,303.15 -1311.02,338.58 -1157.48,338.58 -1096.24,399.82 -516.37,399.82 -510.68,405.51 v2(-456.69,405.51) ; R74.2@-69.69,775.59 -67.32,777.95 P29.26@19.68,777.95
JTAG_TRSTn_3V3: P13.15 U11.5 | length 2347.3
  Top Layer w6: P13.15@-2980.32,645.28 -2878.35,543.31 U11.5@-675.23,543.31
LDO_VDD_A_RF: P11.2 R25.1 U13.137 U13.138 | length 2197.2
  Top Layer w6: R25.1@1679.53,-1858.27 1724.41,-1858.27 1893.7,-1688.98 1893.7,-937.01 1799.21,-842.52 1799.21,-615.35 P11.2@1748.03,-564.17
  Top Layer w20: U13.137@1543.31,0 1543.86,0 1557.21,13.35 1593.46,13.35 ; U13.138@1582.68,0 1594.74,12.06 v2(1602.36,19.69)
  Power w20: v2(1602.36,19.69) 1733.66,-111.61 1733.66,-540.3 1748.03,-554.67 P11.2@1748.03,-564.17
LDO_VDD_ALWAYS_ON: P9.2 R13.1 U13.49 | length 1890.4
  Top Layer w6: R13.1@1686.22,1913.39 1716.54,1913.39 v2(1728.35,1901.57)
  Top Layer w20: U13.49@1622.05,196.85 v2(1637.8,212.6)
  Misc w6: v2(1728.35,1901.57) 1842.52,1787.4 P9.2@1842.52,786.22
  Power w20: v2(1637.8,212.6) 1637.8,314.96 1759.84,437.01 1759.84,703.54 P9.2@1842.52,786.22
LDO_VDD_D: P7.2 R22.1 U13.135 U13.136 U13.190 | length 2592.9
  Top Layer w6: v2(929.13,-1507.87) 929.13,-1649.61 1097.6,-1818.07 R22.1@1176.81,-1818.07
  Top Layer w20: R22.1@1175.98,-1818.9 R22.1@1176.81,-1818.07 ; U13.135@1464.57,0 v2(1484.25,19.69) U13.136@1503.94,0 ; U13.190@1503.94,-118.11 v2(1523.62,-98.43)
  Power w20: v2(1484.25,19.69) 1523.62,-19.68 v2(1523.62,-98.43) 1525.04,-98.43 1665.35,-238.74 1665.35,-690.16 P7.2@1748.03,-772.83
  Bottom Layer w6: v2(929.13,-1507.87) 929.13,-1468.5 1621.07,-776.57 1744.3,-776.57 P7.2@1748.03,-772.83
MSEL_3V3: IC6.10 P15.12 | length 2767.1
  Top Layer w5: P15.12@-3080.32,-413.72 -3028.8,-362.2 -2023.62,-362.2 -1525.59,-860.24 IC6.10@-540.87,-860.24
MUXED_ANALOG_IN_N: J15.1 U13.14 | length 934
  Top Layer w5.63: U13.14@1661.42,275.59 1716.54,330.71 1775.59,330.71 1921.13,476.25 1921.13,818.77 2007.87,905.51 J15.1@2133.86,905.51
MUXED_ANALOG_IN_P: J16.1 U13.50 | length 621.3
  Top Layer w5.63: U13.50@1661.42,196.85 1681.1,216.54 1707.75,216.54 1719.63,228.42 1719.63,286.56 1732.28,299.21 1783.46,299.21 1948.82,464.57 J16.1@2137.8,464.57
MUXED_ANALOG_OUT_N: J17.1 U13.216 | length 1205.8
  Top Layer w5.63: U13.216@1818.9,-157.48 1933.07,-157.48 2287.4,-511.81 J17.1@2287.4,-1102.36
MUXED_ANALOG_OUT_P: J18.1 U13.215 | length 671.9
  Top Layer w5.63: U13.215@1779.53,-157.48 1799.21,-177.17 1834.65,-177.17 2106.3,-448.82 J18.1@2106.3,-673.23
MUXED_CLK_OUT: J19.1 U13.28 | length 757.6
  Top Layer w5.63: J19.1@1318.9,901.57 1318.9,661.25 1522.78,457.37 1522.78,255.06 U13.28@1503.94,236.22
Net*1_3: *1.3 R63.1 | length 280.8
  Top Layer w5.63: R63.1@3437.01,39.37 3437.01,37.41 3582.68,-108.26 *1.3@3582.68,-181.1
Net*1_8: *1.8 J11.1 | length 220.5
  Top Layer w5.63: J11.1@3291.34,-251.97 *1.8@3511.81,-251.97
Net*1_13: *1.13 R57.2 | length 1019.8
  Top Layer w5.63: R57.2@2956.69,-78.74 2956.69,-303.15 3118.11,-464.57 3515.75,-464.57 3582.68,-397.64 *1.13@3582.68,-322.83